# Altium PCB OCP-TimeCardMini-TI_V1.PcbDoc (part 3 of 11)
Units mil, origin at the board's own origin, x right, y up, seen from the top; angles counter-clockwise.
Board outline 5300.46 x 4396.02 mil, 10 copper layers (L01-TOP, L02-GND, L03-SIG, L04-GND, L05-PWR, L06-PWR, L07-GND, L08-SIG, L09-GND, L10-BOT), stack 77.164 mil thick; 832 components, 574 nets, 2904 pads, 1473 vias.
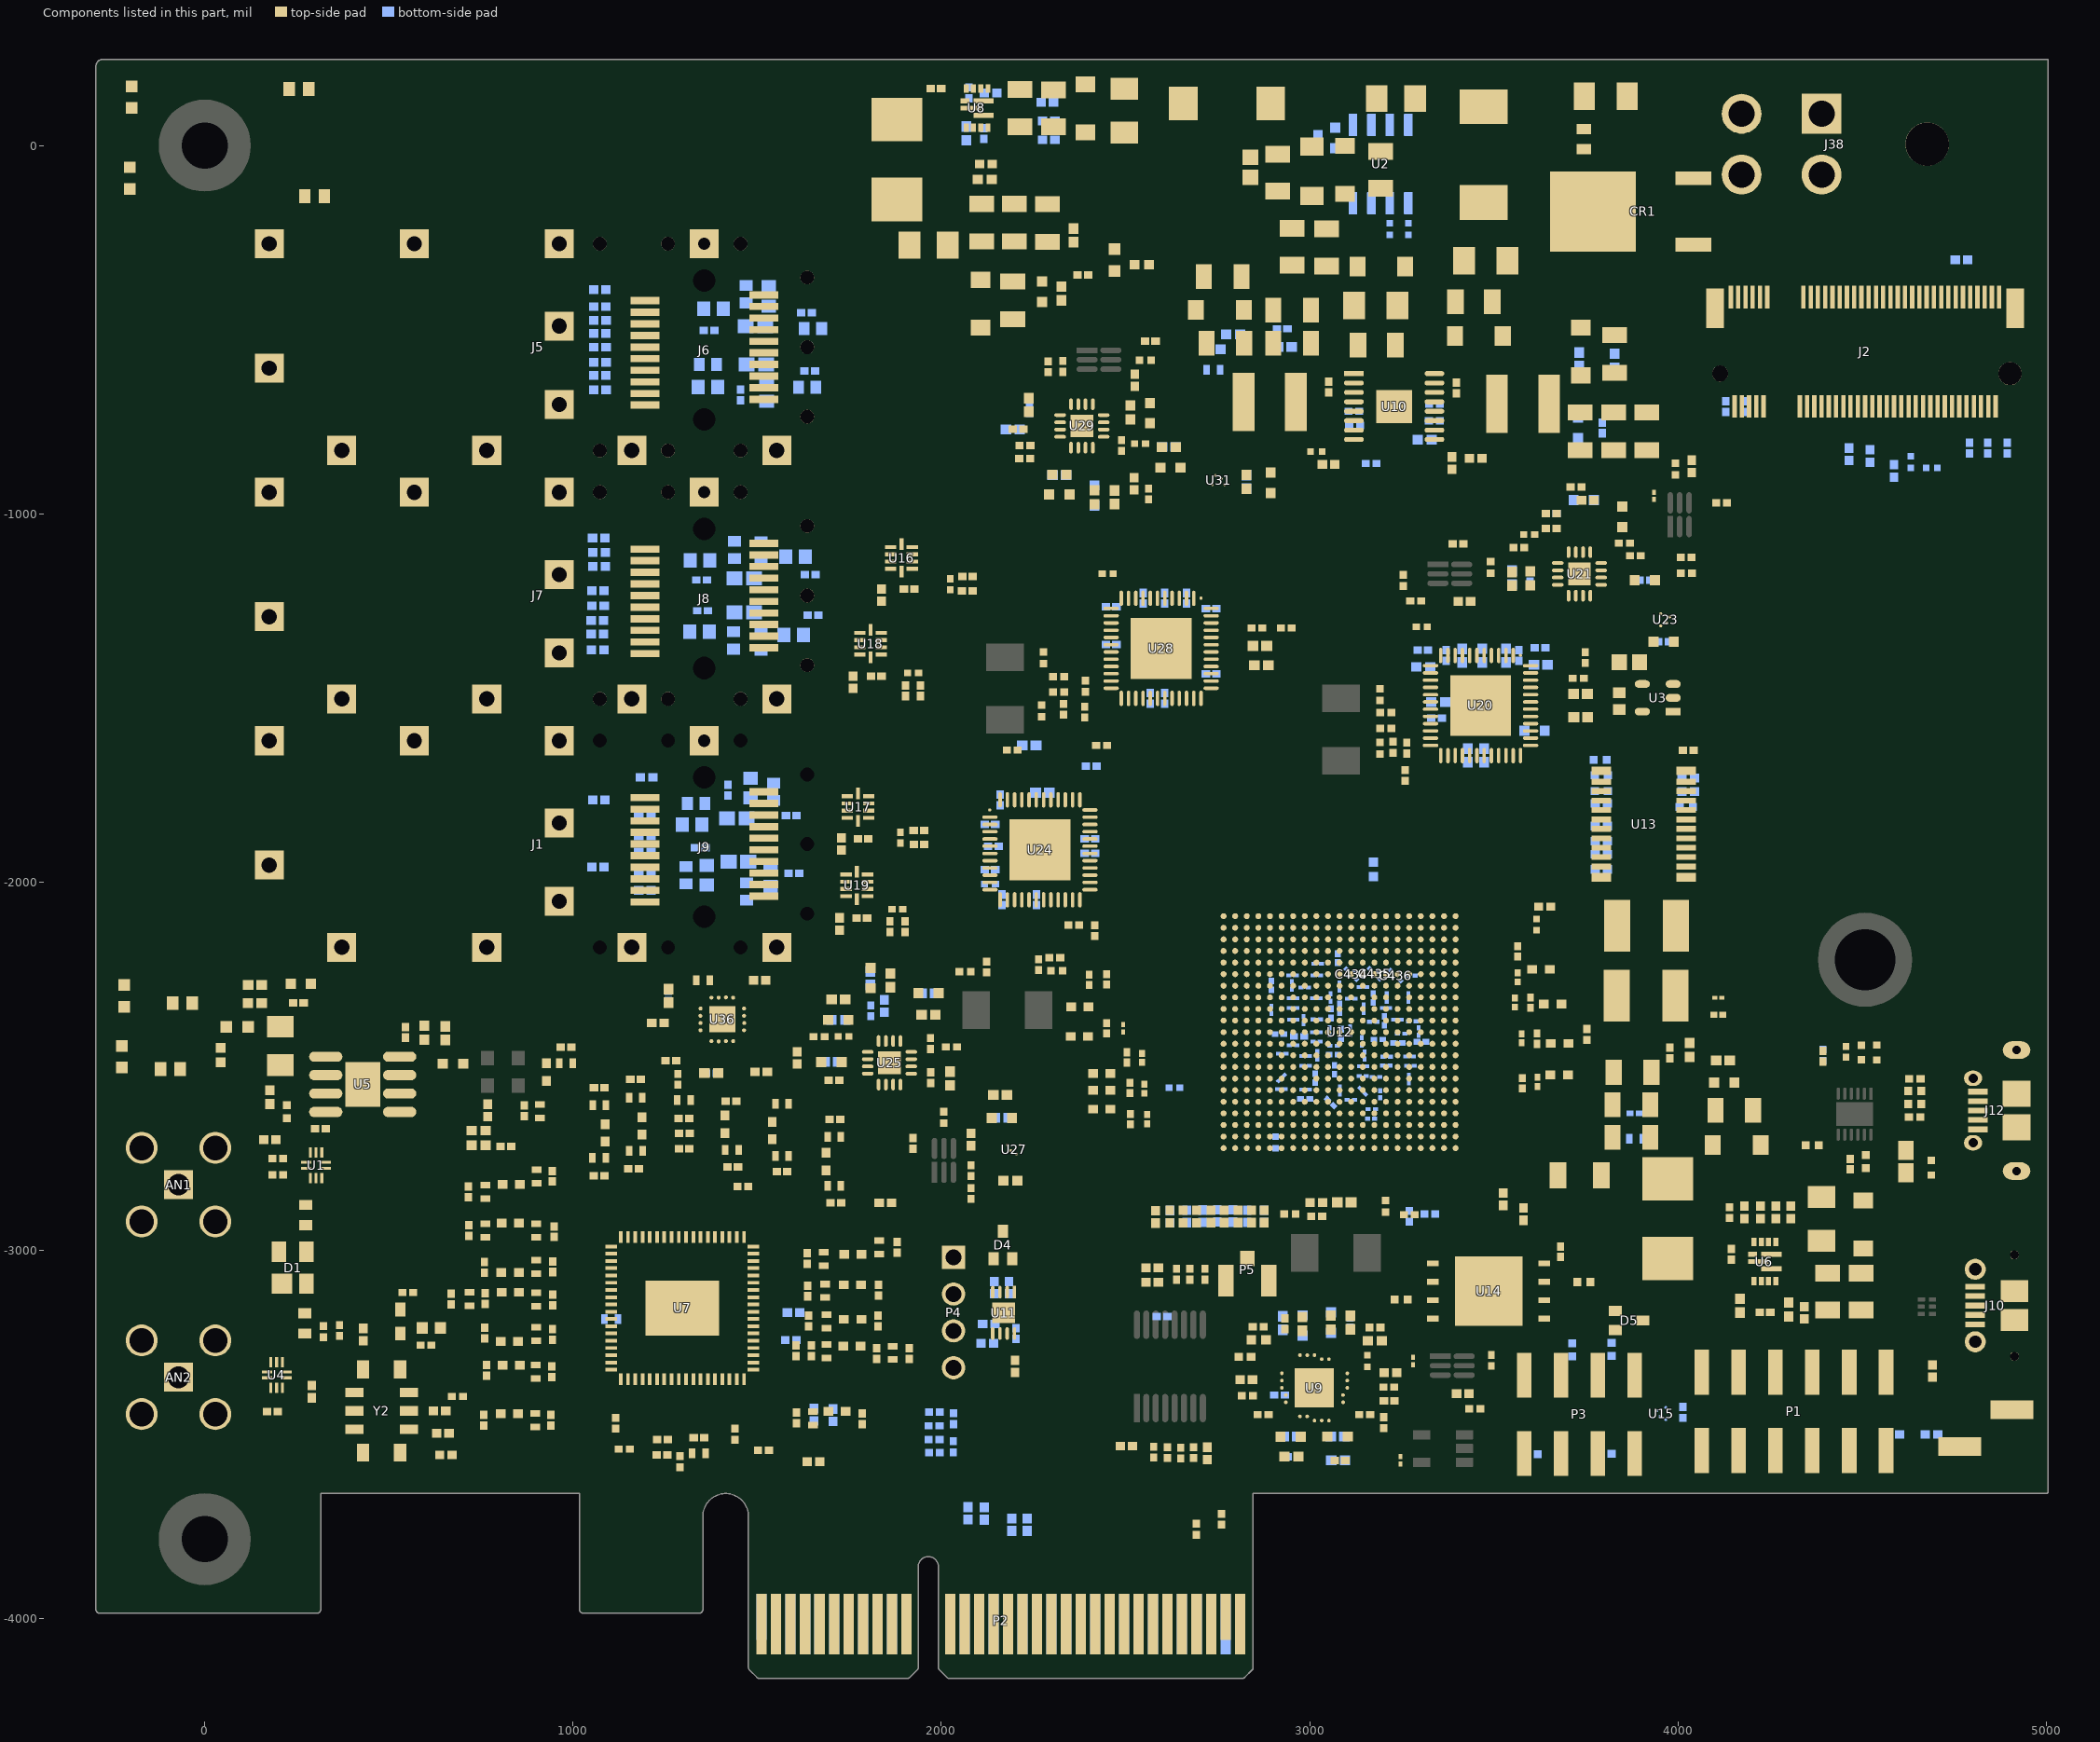
[diagram p11: the components of this part, seen from the top]

## Footprints (in the part's own frame and the unit in brackets; to place one, negate y for a bottom-side part, rotate by r counter-clockwise, add the part's x,y. Pads: shape width x height; smd on the part's side, far side on the other; paste and mask are expansions set on the pad) (continued)
FP-RTJ0020D-MFG [mm]
  round 0.252 smd paste-1000 mask+0: 1(-1.975,1) 2(-1.975,0.5) 3(-2.26,0) 4(-2.26,-0.5) 5(-2.26,-1) 6(-1,-1.975) 7(-0.5,-1.975) 8(0,-2.26) 9(0.5,-2.26) 10(1,-2.26) 11(1.975,-1) 12(1.975,-0.5) 13(2.25,0) 14(2.25,0.5) 15(2.25,1) 16(1,2.25) 17(0.5,2.25) 18(0,2.25) 19(-0.5,1.975) 20(-1,1.975)
  rect 2.7x2.7 smd paste-1000 mask+0: 21(0,0)
  L01-TOP region: -1.14,2.4 -1.14,1.69 -1.129,1.636 -1.099,1.591 -1.054,1.561 -1,1.55 -1,1.55 -0.946,1.561 -0.901,1.591 -0.871,1.636 -0.86,1.69 -0.86,1.69 -0.86,2.4
  L01-TOP region: -0.64,2.4 -0.64,1.69 -0.629,1.636 -0.599,1.591 -0.554,1.561 -0.5,1.55 -0.5,1.55 -0.446,1.561 -0.401,1.591 -0.371,1.636 -0.36,1.69 -0.36,1.69 -0.36,2.4
  L01-TOP region: -0.14,2.4 -0.14,1.69 -0.129,1.636 -0.099,1.591 -0.054,1.561 0,1.55 0,1.55 0.054,1.561 0.099,1.591 0.129,1.636 0.14,1.69 0.14,1.69 0.14,2.4
  L01-TOP region: 0.36,2.4 0.36,1.69 0.371,1.636 0.401,1.591 0.446,1.561 0.5,1.55 0.5,1.55 0.554,1.561 0.599,1.591 0.629,1.636 0.64,1.69 0.64,1.69 0.64,2.4
  L01-TOP region: 0.86,2.4 0.86,1.69 0.871,1.636 0.901,1.591 0.946,1.561 1,1.55 1,1.55 1.054,1.561 1.099,1.591 1.129,1.636 1.14,1.69 1.14,1.69 1.14,2.4
  L01-TOP region: 0.86,-2.4 0.86,-1.69 0.871,-1.636 0.901,-1.591 0.946,-1.561 1,-1.55 1,-1.55 1.054,-1.561 1.099,-1.591 1.129,-1.636 1.14,-1.69 1.14,-1.69 1.14,-2.4
  L01-TOP region: 0.36,-2.4 0.36,-1.69 0.371,-1.636 0.401,-1.591 0.446,-1.561 0.5,-1.55 0.5,-1.55 0.554,-1.561 0.599,-1.591 0.629,-1.636 0.64,-1.69 0.64,-1.69 0.64,-2.4
  L01-TOP region: -0.14,-2.4 -0.14,-1.69 -0.129,-1.636 -0.099,-1.591 -0.054,-1.561 0,-1.55 0,-1.55 0.054,-1.561 0.099,-1.591 0.129,-1.636 0.14,-1.69 0.14,-1.69 0.14,-2.4
  L01-TOP region: -0.64,-2.4 -0.64,-1.69 -0.629,-1.636 -0.599,-1.591 -0.554,-1.561 -0.5,-1.55 -0.5,-1.55 -0.446,-1.561 -0.401,-1.591 -0.371,-1.636 -0.36,-1.69 -0.36,-1.69 -0.36,-2.4
  L01-TOP region: -1.14,-2.4 -1.14,-1.69 -1.129,-1.636 -1.099,-1.591 -1.054,-1.561 -1,-1.55 -1,-1.55 -0.946,-1.561 -0.901,-1.591 -0.871,-1.636 -0.86,-1.69 -0.86,-1.69 -0.86,-2.4
  L01-TOP region: 2.4,0.86 1.69,0.86 1.636,0.871 1.591,0.901 1.561,0.946 1.55,1 1.55,1 1.561,1.054 1.591,1.099 1.636,1.129 1.69,1.14 1.69,1.14 2.4,1.14
  L01-TOP region: 2.4,0.36 1.69,0.36 1.636,0.371 1.591,0.401 1.561,0.446 1.55,0.5 1.55,0.5 1.561,0.554 1.591,0.599 1.636,0.629 1.69,0.64 1.69,0.64 2.4,0.64
  L01-TOP region: 2.4,-0.14 1.69,-0.14 1.636,-0.129 1.591,-0.099 1.561,-0.054 1.55,0 1.55,0 1.561,0.054 1.591,0.099 1.636,0.129 1.69,0.14 1.69,0.14 2.4,0.14
  L01-TOP region: 2.4,-0.64 1.69,-0.64 1.636,-0.629 1.591,-0.599 1.561,-0.554 1.55,-0.5 1.55,-0.5 1.561,-0.446 1.591,-0.401 1.636,-0.371 1.69,-0.36 1.69,-0.36 2.4,-0.36
  L01-TOP region: 2.4,-1.14 1.69,-1.14 1.636,-1.129 1.591,-1.099 1.561,-1.054 1.55,-1 1.55,-1 1.561,-0.946 1.591,-0.901 1.636,-0.871 1.69,-0.86 1.69,-0.86 2.4,-0.86
  L01-TOP region: -2.4,1.14 -1.69,1.14 -1.636,1.129 -1.591,1.099 -1.561,1.054 -1.55,1 -1.55,1 -1.561,0.946 -1.591,0.901 -1.636,0.871 -1.69,0.86 -1.69,0.86 -2.4,0.86
  L01-TOP region: -2.4,0.64 -1.69,0.64 -1.636,0.629 -1.591,0.599 -1.561,0.554 -1.55,0.5 -1.55,0.5 -1.561,0.446 -1.591,0.401 -1.636,0.371 -1.69,0.36 -1.69,0.36 -2.4,0.36
  L01-TOP region: -2.4,0.14 -1.69,0.14 -1.636,0.129 -1.591,0.099 -1.561,0.054 -1.55,0 -1.55,0 -1.561,-0.054 -1.591,-0.099 -1.636,-0.129 -1.69,-0.14 -1.69,-0.14 -2.4,-0.14
  L01-TOP region: -2.4,-0.36 -1.69,-0.36 -1.636,-0.371 -1.591,-0.401 -1.561,-0.446 -1.55,-0.5 -1.55,-0.5 -1.561,-0.554 -1.591,-0.599 -1.636,-0.629 -1.69,-0.64 -1.69,-0.64 -2.4,-0.64
  L01-TOP region: -2.4,-0.86 -1.69,-0.86 -1.636,-0.871 -1.591,-0.901 -1.561,-0.946 -1.55,-1 -1.55,-1 -1.561,-1.054 -1.591,-1.099 -1.636,-1.129 -1.69,-1.14 -1.69,-1.14 -2.4,-1.14
  silkscreen extent -3.1,-2.07 2.07,2.07, body extent -2.5,-2.5 2.5,2.5, height 0.25
FP-SI53306-B-GM-MFG [mm]
  round 0.27 smd paste+0 mask+0: 1(-1.5,0.75) 2(-1.515,0.25) 3(-1.5,-0.25) 4(-1.5,-0.75) 5(-0.75,-1.5) 6(-0.25,-1.515) 7(0.25,-1.5) 8(0.75,-1.5) 9(1.5,-0.75) 10(1.515,-0.25) 11(1.5,0.25) 12(1.5,0.75) 13(0.75,1.5) 14(0.25,1.515) 15(-0.25,1.5) 16(-0.75,1.5)
  rect 1.8x1.8 smd paste-1000 mask+0: 17(0,0)
  L01-TOP region: -1.9,0.9 -1.25,0.9 -1.193,0.889 -1.144,0.856 -1.111,0.807 -1.1,0.75 -1.1,0.75 -1.111,0.693 -1.144,0.644 -1.193,0.611 -1.25,0.6 -1.25,0.6 -1.9,0.6
  L01-TOP region: -1.9,0.4 -1.25,0.4 -1.193,0.389 -1.144,0.356 -1.111,0.307 -1.1,0.25 -1.1,0.25 -1.111,0.193 -1.144,0.144 -1.193,0.111 -1.25,0.1 -1.25,0.1 -1.9,0.1
  L01-TOP region: -1.9,-0.1 -1.25,-0.1 -1.193,-0.111 -1.144,-0.144 -1.111,-0.193 -1.1,-0.25 -1.1,-0.25 -1.111,-0.307 -1.144,-0.356 -1.193,-0.389 -1.25,-0.4 -1.25,-0.4 -1.9,-0.4
  L01-TOP region: -1.9,-0.6 -1.25,-0.6 -1.193,-0.611 -1.144,-0.644 -1.111,-0.693 -1.1,-0.75 -1.1,-0.75 -1.111,-0.807 -1.144,-0.856 -1.193,-0.889 -1.25,-0.9 -1.25,-0.9 -1.9,-0.9
  L01-TOP region: -0.9,-1.9 -0.9,-1.25 -0.889,-1.193 -0.856,-1.144 -0.807,-1.111 -0.75,-1.1 -0.75,-1.1 -0.693,-1.111 -0.644,-1.144 -0.611,-1.193 -0.6,-1.25 -0.6,-1.25 -0.6,-1.9
  L01-TOP region: -0.4,-1.9 -0.4,-1.25 -0.389,-1.193 -0.356,-1.144 -0.307,-1.111 -0.25,-1.1 -0.25,-1.1 -0.193,-1.111 -0.144,-1.144 -0.111,-1.193 -0.1,-1.25 -0.1,-1.25 -0.1,-1.9
  L01-TOP region: 0.1,-1.9 0.1,-1.25 0.111,-1.193 0.144,-1.144 0.193,-1.111 0.25,-1.1 0.25,-1.1 0.307,-1.111 0.356,-1.144 0.389,-1.193 0.4,-1.25 0.4,-1.25 0.4,-1.9
  L01-TOP region: 0.6,-1.9 0.6,-1.25 0.611,-1.193 0.644,-1.144 0.693,-1.111 0.75,-1.1 0.75,-1.1 0.807,-1.111 0.856,-1.144 0.889,-1.193 0.9,-1.25 0.9,-1.25 0.9,-1.9
  L01-TOP region: 1.9,-0.9 1.25,-0.9 1.193,-0.889 1.144,-0.856 1.111,-0.807 1.1,-0.75 1.1,-0.75 1.111,-0.693 1.144,-0.644 1.193,-0.611 1.25,-0.6 1.25,-0.6 1.9,-0.6
  L01-TOP region: 1.9,-0.4 1.25,-0.4 1.193,-0.389 1.144,-0.356 1.111,-0.307 1.1,-0.25 1.1,-0.25 1.111,-0.193 1.144,-0.144 1.193,-0.111 1.25,-0.1 1.25,-0.1 1.9,-0.1
  L01-TOP region: 1.9,0.1 1.25,0.1 1.193,0.111 1.144,0.144 1.111,0.193 1.1,0.25 1.1,0.25 1.111,0.307 1.144,0.356 1.193,0.389 1.25,0.4 1.25,0.4 1.9,0.4
  L01-TOP region: 1.9,0.6 1.25,0.6 1.193,0.611 1.144,0.644 1.111,0.693 1.1,0.75 1.1,0.75 1.111,0.807 1.144,0.856 1.193,0.889 1.25,0.9 1.25,0.9 1.9,0.9
  L01-TOP region: 0.9,1.9 0.9,1.25 0.889,1.193 0.856,1.144 0.807,1.111 0.75,1.1 0.75,1.1 0.693,1.111 0.644,1.144 0.611,1.193 0.6,1.25 0.6,1.25 0.6,1.9
  L01-TOP region: 0.4,1.9 0.4,1.25 0.389,1.193 0.356,1.144 0.307,1.111 0.25,1.1 0.25,1.1 0.193,1.111 0.144,1.144 0.111,1.193 0.1,1.25 0.1,1.25 0.1,1.9
  L01-TOP region: -0.1,1.9 -0.1,1.25 -0.111,1.193 -0.144,1.144 -0.193,1.111 -0.25,1.1 -0.25,1.1 -0.307,1.111 -0.356,1.144 -0.389,1.193 -0.4,1.25 -0.4,1.25 -0.4,1.9
  L01-TOP region: -0.6,1.9 -0.6,1.25 -0.611,1.193 -0.644,1.144 -0.693,1.111 -0.75,1.1 -0.75,1.1 -0.807,1.111 -0.856,1.144 -0.889,1.193 -0.9,1.25 -0.9,1.25 -0.9,1.9
  silkscreen extent -2.57,-1.55 1.55,1.55, body extent -2,-2 2,2, height 0.25
FP-SOT355-1-MFG [mm]
  rect 1.35x0.6 smd paste+0 mask+0: 1(-2.925,3.675) 12(-2.925,-3.675) 13(2.925,-3.675) 24(2.925,3.675)
  rect 1.35x0.4 smd paste+0 mask+0: 2(-2.925,2.925) 3(-2.925,2.275) 4(-2.925,1.625) 5(-2.925,0.975) 6(-2.925,0.325) 7(-2.925,-0.325) 8(-2.925,-0.975) 9(-2.925,-1.625) 10(-2.925,-2.275) 11(-2.925,-2.925) 14(2.925,-2.925) 15(2.925,-2.275) 16(2.925,-1.625) 17(2.925,-0.975) 18(2.925,-0.325) 19(2.925,0.325) 20(2.925,0.975) 21(2.925,1.625) 22(2.925,2.275) 23(2.925,2.925)
  silkscreen extent -4.37,-3.95 1.87,3.95, body extent -3.72,-4.3 3.72,4.3, height 0.25
FP-SOT1049-3-MFG [mm]
  rect 0.793x0.28 smd paste-1000 mask+0: 1(-0.741,0.75) 2(-0.741,0.25) 3(-0.741,-0.25) 4(-0.741,-0.75) 6(0.741,-0.75) 7(0.741,-0.25) 8(0.741,0.25) 9(0.741,0.75)
  rect 0.28x0.8 smd paste-1000 mask+0: 5(0,-0.95) 10(0,0.95)
  silkscreen extent -1.82,-1.4 1.17,1.4, body extent -1.3,-1.5 1.3,1.5, height 0.25
FP-T495D107K016ATE125-MFG [mm]
  rect 1.99x2.33 smd paste+0 mask+0: 1(-3.01,0) 2(3.01,0)
  silkscreen extent -3.8,-2.3 5,2.3, body extent -4.11,-2.4 4.11,2.4, height 0.25
FP-V-QFN2030-12_Type_A-MFG [mm]
  rect 1.4x0.35 smd paste+0 mask+0: 1(-0.45,0.5) 2(-0.45,-0.5) 8(0.45,0)
  rect 0.35x0.6 smd paste+0 mask+0: 3(-0.75,-1.35) 4(-0.25,-1.35) 5(0.25,-1.35) 6(0.75,-1.35) 9(0.75,1.35) 10(0.25,1.35) 11(-0.25,1.35) 12(-0.75,1.35)
  rect 0.6x0.35 smd paste+0 mask+0: 7(0.85,-0.5)
  silkscreen extent -2.12,-1.8 1.4,1.8, body extent -1.25,-1.75 1.25,1.75, height 0.25
FUSM1608X60N [mm] "Chip Fuse, 0603, 2-Leads, Body 1.60x0.81mm, IPC Medium Density"
  rect 0.72x1 smd: 1(-0.69,0) 2(0.69,0)
  silkscreen extent 0,-0.5 0,0.5, body extent -0.81,-0.41 0.81,0.41, height 0.61
HRS-U.FL-R-SMT(10)_V [mm] "Connector, 3-Leads, Body 2.6x2.6mm"
  rect 1.05x1 smd: 1(-1.525,0)
  rect 2.2x1.05 smd: 2(0,-1.475) 3(0,1.475)
  silkscreen extent -2.72,-0.12 -2.48,0.13, body extent -1.3,-1.3 1.3,1.3, height 1.25
MOLX-47589-0001_V [mm] "SMD, 5-Leads, Body 7.5x5.6mm, Pitch 0.65mm"
  rect 0.4x1.35 smd: 1(-1.3,1.175) 2(-0.65,1.175) 3(0,1.175) 4(0.65,1.175) 5(1.3,1.175)
  oval 1.05x1.25 hole 0.65 slot 0.85 at 90 deg: 6(-2.225,1.5) 7(2.225,1.5)
  oval 1.2x1.9 hole 0.6 slot 1.3 at 90 deg: 8(-4.175,-1.5) 11(4.175,-1.5)
  rect 1.8x1.9 smd: 9(-1.15,-1.5) 10(1.15,-1.5)
  L01-TOP region: 2.6,-2.45 4.175,-2.45 4.175,-0.55 2.6,-0.55
  L01-TOP region: -2.6,-0.55 -4.175,-0.55 -4.175,-2.45 -2.6,-2.45
  silkscreen extent -3.75,-4.25 3.75,2.52, body extent -4.32,-4.25 4.32,1.64, height 2.74
MOLX-74754-0101_V#1 [mm] "SFP+ Cage, 1-Port, Body 49x15.9mm"
  rect 2x2 hole 1.05: MH1(-7.125,13.55) MH2(-7.125,3.55) MH3(-7.125,-6.45) MH4(-7.125,-16.45) MH6(7.125,-1.45) MH7(7.125,8.55) MH8(7.125,18.55) MH9(-1.455,18.55) MH10(-3.955,-1.45) MH11(1.445,-1.45)
  rect 2x2 hole 0.85: MH5(7.125,-11.45)
  round 0 hole 0.95: MH12(-7.13,-4.25) MH13(-7.13,-8.95) MH14(-7.13,-13.95) MH15(-4.8,-18.55) MH16(0,-18.55) MH17(4.8,-18.55) MH18(7.13,-13.95) MH19(7.13,-8.95) MH20(7.13,-4.25)
  L01-TOP keep-out region: 1,-19.25 1,-18.25 -1,-18.25 -1,-19.25
  L01-TOP keep-out region: -8.125,23.05 -8.125,-19.25 -3.795,-19.25 -3.795,-18.25 -6.125,-18.25 -6.125,-3.75 6.125,-3.75 6.125,-18.25 3.795,-18.25 3.795,-19.25 8.125,-19.25 8.125,23.05
  silkscreen extent -7.95,-18.95 7.95,23.06, body extent -7.95,-18.94 7.95,30.05, height 10.21
MOLX-74754-0101_V#2 [mm] "SFP+ Cage, 1-Port, Body 49x15.9mm"
  rect 2x2 hole 1.05: MH1(-7.125,13.55) MH2(-7.125,3.55) MH3(-7.125,-6.45) MH4(-7.125,-16.45) MH6(7.125,-1.45) MH7(7.125,8.55) MH8(7.125,18.55) MH9(-1.455,18.55) MH10(-3.955,-1.45) MH11(1.445,-1.45)
  rect 2x2 hole 0.85: MH5(7.125,-11.45)
  round 0.95 hole 0.95: MH12(-7.13,-4.25) MH13(-7.13,-8.95) MH14(-7.13,-13.95) MH15(-4.8,-18.55) MH16(0,-18.55) MH17(4.8,-18.55) MH18(7.13,-13.95) MH19(7.13,-8.95) MH20(7.13,-4.25)
  L01-TOP keep-out region: 1,-19.25 1,-18.25 -1,-18.25 -1,-19.25
  L01-TOP keep-out region: -8.125,23.05 -8.125,-19.25 -3.795,-19.25 -3.795,-18.25 -6.125,-18.25 -6.125,-3.75 6.125,-3.75 6.125,-18.25 3.795,-18.25 3.795,-19.25 8.125,-19.25 8.125,23.05
  silkscreen extent -7.95,-18.94 7.95,23.06, body extent -7.95,-18.94 7.95,30.05, height 10.21
MRA08B_M [mm] "SOIC, 8-Leads, Body 4.9x3.9mm, Pitch 1.27mm, Thermal Pad, IPC Low Density"
  oval 2.3x0.7 smd: 1(-2.55,1.905) 2(-2.55,0.635) 3(-2.55,-0.635) 4(-2.55,-1.905) 5(2.55,-1.905) 6(2.55,-0.635) 7(2.55,0.635) 8(2.55,1.905)
  rect 2.41x3.1 smd: 9(0,0)
  silkscreen extent -2.67,-2.5 1,2.93, body extent -2,-2.5 2,2.5, height 1.68
ONSC-SOT-323-3-419-04_V [mm] "SOT23, 3-Leads, Body 2x1.25mm, Pitch 0.65mm"
  rect 0.9x0.7 smd: 1(-0.95,0.65) 2(-0.95,-0.65) 3(0.95,0)
  silkscreen extent -1.07,-1.1 0.62,1.67, body extent -0.63,-1 0.63,1, height 1
PCIE_4LANE_EDGE [mil] "PCIE_4LANE_EDGE"
  rect 28x126 smd far side: A1(-649.6,-87.74)
  rect 28x165 smd far side: A2(-610.23,-107.24) A3(-570.86,-107.24) A4(-531.49,-107.24) A5(-492.12,-107.24) A6(-452.75,-107.24) A7(-413.38,-107.24) A8(-374.01,-107.24) A9(-334.64,-107.24) A10(-295.27,-107.24) A11(-255.9,-107.24) A12(-137.79,-107.24) A13(-98.42,-107.24) A14(-59.05,-107.24) A15(-19.68,-107.24) A16(19.69,-107.24) A17(59.06,-107.24) A18(98.43,-107.24) A19(137.8,-107.24) A20(177.17,-107.24) A21(216.54,-107.24) A22(255.91,-107.24) A23(295.28,-107.24) A24(334.65,-107.24) A25(374.02,-107.24) A26(413.39,-107.24) A27(452.76,-107.24) A28(492.13,-107.24) A29(531.5,-107.24) A30(570.87,-107.24) A31(610.24,-107.24) A32(649.61,-107.24)
  rect 28x165 smd: B1(-649.6,-107.24) B2(-610.23,-107.24) B3(-570.86,-107.24) B4(-531.49,-107.24) B5(-492.12,-107.24) B6(-452.75,-107.24) B7(-413.38,-107.24) B8(-374.01,-107.24) B9(-334.64,-107.24) B10(-295.27,-107.24) B11(-255.9,-107.24) B12(-137.79,-107.24) B13(-98.42,-107.24) B14(-59.05,-107.24) B15(-19.68,-107.24) B16(19.69,-107.24) B17(59.06,-107.24) B18(98.43,-107.24) B19(137.8,-107.24) B20(177.17,-107.24) B21(216.54,-107.24) B22(255.91,-107.24) B23(295.28,-107.24) B24(334.65,-107.24) B25(374.02,-107.24) B26(413.39,-107.24) B27(452.76,-107.24) B28(492.13,-107.24) B29(531.5,-107.24) B30(570.87,-107.24) B32(649.61,-107.24)
  rect 28x126 smd: B31(610.24,-87.74)
QFN_2E-000NLG_REN [mil]
  rect 32x10 smd paste+0 mask+0: 1(-193,167.37) 2(-193,147.68) 3(-193,127.99) 4(-193,108.3) 5(-193,88.61) 6(-193,68.92) 7(-193,49.23) 8(-193,29.54) 9(-193,9.85) 10(-193,-9.84) 11(-193,-29.53) 12(-193,-49.22) 13(-193,-68.91) 14(-193,-88.6) 15(-193,-108.29) 16(-193,-127.98) 17(-193,-147.67) 18(-193,-167.36) 37(193,-167.36) 38(193,-147.67) 39(193,-127.98) 40(193,-108.29) 41(193,-88.6) 42(193,-68.91) 43(193,-49.22) 44(193,-29.53) 45(193,-9.84) 46(193,9.85) 47(193,29.54) 48(193,49.23) 49(193,68.92) 50(193,88.61) 51(193,108.3) 52(193,127.99) 53(193,147.68) 54(193,167.37)
  rect 10x32 smd paste+0 mask+0: 19(-167.37,-193) 20(-147.68,-193) 21(-127.99,-193) 22(-108.3,-193) 23(-88.61,-193) 24(-68.92,-193) 25(-49.23,-193) 26(-29.54,-193) 27(-9.85,-193) 28(9.84,-193) 29(29.53,-193) 30(49.22,-193) 31(68.91,-193) 32(88.6,-193) 33(108.29,-193) 34(127.98,-193) 35(147.67,-193) 36(167.36,-193) 55(167.36,193) 56(147.67,193) 57(127.98,193) 58(108.29,193) 59(88.6,193) 60(68.91,193) 61(49.22,193) 62(29.53,193) 63(9.84,193) 64(-9.85,193) 65(-29.54,193) 66(-49.23,193) 67(-68.92,193) 68(-88.61,193) 69(-108.3,193) 70(-127.99,193) 71(-147.68,193) 72(-167.37,193)
  rect 150x200 smd paste-99.5 mask+0: 73(0,0)
  silkscreen extent -229,-229 229,229, body extent -197,-197 197,197, height 39
RESC1005X40X25LL05T05 [mm] "Chip Resistor, 2-Leads, Body 1.00x0.50mm, IPC High Density"
  rect 0.45x0.45 smd: 1(-0.4,0) 2(0.4,0)
  body extent -0.53,-0.27 0.53,0.28, height 0.4
RESC1005X40X25LL05T10 [mm] "Chip Resistor, 2-Leads, Body 1.00x0.50mm, IPC High Density"
  rect 0.5x0.45 smd: 1(-0.375,0) 2(0.375,0)
  body extent -0.53,-0.27 0.53,0.28, height 0.4
RESC1005X40X25LL10T10 [mm] "Chip Resistor, 2-Leads, Body 1.00x0.50mm, IPC High Density"
  rect 0.55x0.5 smd: 1(-0.375,0) 2(0.375,0)
  body extent -0.55,-0.3 0.55,0.3, height 0.4
RESC1005X40X25ML05T05 [mm] "Chip Resistor, 2-Leads, Body 1.00x0.50mm, IPC Low Density"
  rect 0.65x0.65 smd: 1(-0.5,0) 2(0.5,0)
  body extent -0.53,-0.27 0.53,0.28, height 0.4
RESC1005X40X25ML05T10 [mm] "Chip Resistor, 2-Leads, Body 1.00x0.50mm, IPC Low Density"
  rect 0.7x0.65 smd: 1(-0.475,0) 2(0.475,0)
  body extent -0.53,-0.27 0.53,0.28, height 0.4
RESC1005X40X25ML10T10 [mm] "Chip Resistor, 2-Leads, Body 1.00x0.50mm, IPC Low Density"
  rect 0.75x0.7 smd: 1(-0.475,0) 2(0.475,0)
  body extent -0.55,-0.3 0.55,0.3, height 0.4
RESC1005X40X25NL05T05 [mm] "Chip Resistor, 2-Leads, Body 1.00x0.50mm, IPC Medium Density"
  rect 0.55x0.55 smd: 1(-0.45,0) 2(0.45,0)
  body extent -0.53,-0.27 0.53,0.28, height 0.4
RESC1005X40X25NL05T10 [mm] "Chip Resistor, 2-Leads, Body 1.00x0.50mm, IPC Medium Density"
  rect 0.6x0.55 smd: 1(-0.425,0) 2(0.425,0)
  body extent -0.53,-0.27 0.53,0.28, height 0.4
RESC1005X40X25NL10T10 [mm] "Chip Resistor, 2-Leads, Body 1.00x0.50mm, IPC Medium Density"
  rect 0.65x0.6 smd: 1(-0.425,0) 2(0.425,0)
  body extent -0.55,-0.3 0.55,0.3, height 0.4
RESC1608X55X25NL10T15 [mm] "Chip Resistor, 2-Leads, Body 1.70x0.90mm, IPC Medium Density"
  rect 0.7x0.9 smd: 1(-0.7,0) 2(0.7,0)
  body extent -0.85,-0.45 0.85,0.45, height 0.55
RESC1608X55X30LL15T20 [mm] "Chip Resistor, 2-Leads, Body 1.7x0.95mm, IPC High Density"
  rect 0.75x0.85 smd: 1(-0.575,0) 2(0.575,0)
  body extent -0.85,-0.48 0.85,0.48, height 0.55
RESC1608X55X30NL15T15 [mm] "Chip Resistor, 2-Leads, Body 1.60x0.80mm, IPC Medium Density"
  rect 0.8x0.95 smd: 1(-0.675,0) 2(0.675,0)
  body extent -0.87,-0.48 0.87,0.48, height 0.55
RESC3116X65X50ML20T20 [mm] "Chip Resistor, 2-Leads, Body 3.10x1.60mm, IPC Low Density"
  rect 1.45x1.9 smd: 1(-1.475,0) 2(1.475,0)
  silkscreen extent -0.35,-0.85 0.35,0.85, body extent -1.65,-0.9 1.65,0.9, height 0.65
RESC3216X89X64NL25T25 [mm] "Chip Resistor, 2-Leads, Body 3.20x1.60mm, IPC Medium Density"
  rect 1.5x1.85 smd: 1(-1.325,0) 2(1.325,0)
  silkscreen extent -0.2,-0.82 0.2,0.83, body extent -1.73,-0.92 1.72,0.92, height 0.89
SITIME_SPL-086-CQFN-010-C07050_REV_DRAFT [mm] "Package information (Page 9): https://www.sitime.com/support/resource-library/datasheets/sit5501-datasheet"
  rect 0.85x1.25 smd paste+0 mask+0.05: 1(-1.27,2.875) 5(-1.27,-2.875) 6(1.27,-2.875) 10(1.27,2.875)
  rect 1.25x0.65 smd paste+0 mask+0.05: 2(-1.875,1.27) 3(-1.875,0) 4(-1.875,-1.27) 7(1.875,-1.27) 8(1.875,0) 9(1.875,1.27)
  silkscreen extent -2.6,-3.5 2.6,3.5, body extent -2.5,-3.5 2.5,3.5, height 2.3
SMD-0402 [mm] "Chip Inductor, 2-Leads, Body 1.0x0.5mm"
  rect 0.675x0.6 smd: 1(-0.6,0) 2(0.6,0)
  body extent -0.5,-0.25 0.5,0.25, height 0.49
SOT143-4L [mm] "SOT143-4L, 4-Leads, Body 2.95x2.4mm, Pitch 1.70/1.90mm"
  rect 1.4x1.4 smd: 1(-1.1,0.75)
  rect 1.4x1 smd: 2(-1.1,-0.95) 3(1.1,-0.95) 4(1.1,0.95)
  silkscreen extent -2.66,-1.7 2.05,1.7, body extent -1.2,-1.46 1.2,1.46, height 1.03
TECO-1367073-1_V [mm] "Connector, 20-Leads, Body 11.2x7.5mm, Pitch 0.8mm"
  rect 0.5x2 smd: 1(-3.2,-4.1) 2(-2.4,-4.1) 3(-1.6,-4.1) 4(-0.8,-4.1) 5(0,-4.1) 6(0.8,-4.1) 7(1.6,-4.1) 8(2.4,-4.1) 9(3.2,-4.1) 10(4,-4.1) 11(3.6,4.1) 12(2.8,4.1) 13(2,4.1) 14(1.2,4.1) 15(0.4,4.1) 16(-0.4,4.1) 17(-1.2,4.1) 18(-2,4.1) 19(-2.8,4.1) 20(-3.6,4.1)
  round 1.25 hole 1.55 unplated: MH1(-4.6,0) MH2(5,0)
  L01-TOP keep-out region: -5.55,2.032 -4.19,2.032 -4.19,3.94 -5.55,3.94
  L01-TOP keep-out region: -5.55,-2.88 -3.65,-2.88 -3.65,2.88 -5.55,2.88
  L01-TOP keep-out region: 5.95,2.88 4.05,2.88 4.05,-2.88 5.95,-2.88
  L01-TOP keep-out region: 5.95,3.94 4.19,3.94 4.19,2.286 5.95,2.286
  L01-TOP keep-out region: 5.95,-2.286 4.59,-2.286 4.59,-4.34 5.95,-4.34
  L01-TOP keep-out region: -5.55,-4.34 -3.79,-4.34 -3.79,-2.032 -5.55,-2.032
  silkscreen extent -3.32,-5.77 -3.08,-5.53, body extent -5.31,-4.49 5.69,4.51, height 5.2
TO252(DPAK)_DIO [mil]
  rect 37x98 smd paste+0 mask+0: 1(-90,-203) 3(90,-203)
  rect 217x233 smd paste+0 mask+0: 2(0,69.5)
  silkscreen extent -137,-167 137,127, body extent -132,-238 132,172, height 94
USB-MICRO-B_V [mm] "USB, MICRO B, Body 7.491x4.695 mm, Pitch 0.65 mm"
  rect 0.4x1.35 smd: 1(-1.3,1.35) 2(-0.65,1.35) 3(0,1.35) 4(0.65,1.35) 5(1.3,1.35)
  round 1.45 hole 0.85: 6(-2.5,1.35) 7(2.5,1.35)
  rrect50% 0x0 hole 0.6 slot 1.3 at 90 deg: 8(-3.5,-1.35) 11(3.5,-1.35)
  rect 1.5x1.9 smd: 9(-1,-1.35) 10(1,-1.35)
  L01-TOP circle w0.5: c3.6,-0.9 r0.25
  L01-TOP circle w0.5: c3.6,-1.8 r0.25
  L01-TOP circle w0.5: c-3.6,-0.9 r0.25
  L01-TOP circle w0.5: c-3.6,-1.8 r0.25
  L01-TOP region: -2.3,-2.3 -2.3,-0.4 -3.6,-0.4 -3.6,-2.3
  L01-TOP region: 2.3,-0.4 2.3,-2.3 3.6,-2.3 3.6,-0.4
  L01-TOP region: 3.6,-0.9 3.6,-1.8 4.1,-1.8 4.1,-0.9
  L01-TOP region: -3.6,-1.8 -3.6,-0.9 -4.1,-0.9 -4.1,-1.8
  silkscreen extent -3.75,-3.5 3.75,2.7, body extent -4.1,-3.9 4.1,1.5, height 2.67
"WE-LHMI 7050" [mm] "SMD Inductor, 2-Leads, Body 7.3 x 6.6mm"
  rect 3x3.5 smd: 1(-2.75,0) 2(2.75,0)
  Keep-Out Layer region: -2,-3.5 1.5,-3.5 1.5,3.5 -2,3.5
  silkscreen extent -4.27,-3.5 3.5,3.5, body extent -3.65,-3.3 3.65,3.3, height 4.8
ZM10_PER [mil]
  rect 28x8 smd paste+0 mask+0: 1(-26.5,7.87) 2(-26.5,-7.87) 6(26.5,-7.87) 7(26.5,7.87)